# Altium PCB IntelligentCarFor51PcbDoc.PcbDoc (part 11 of 14)
Units mil, origin at the board's own origin, x right, y up, seen from the top; angles counter-clockwise.
Board outline 2298.05 x 2090.03 mil, 2 copper layers (Top Layer, Bottom Layer); 55 components, 66 nets, 258 pads, 143 vias.
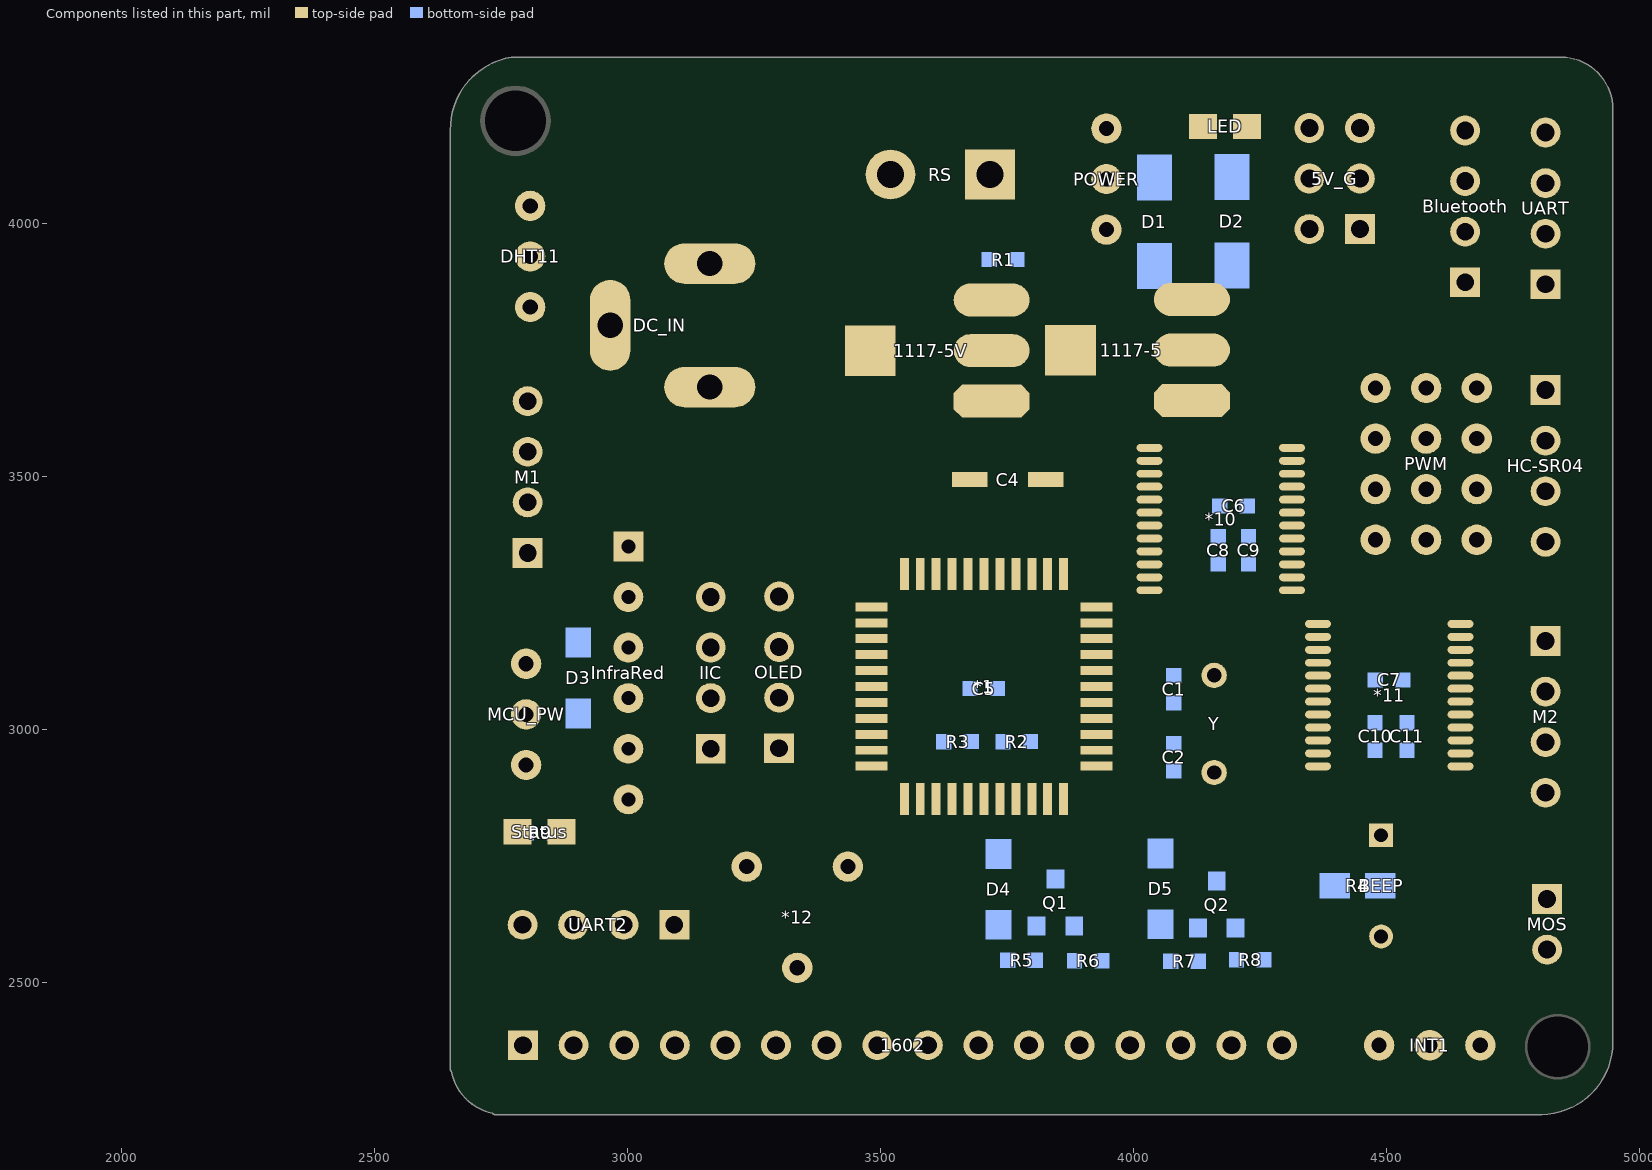
[diagram p11: the components of this part, seen from the top]

## Via types
v1: diameter 12, hole 8, Top Layer to Bottom Layer, 53 vias
v2: diameter 10, hole 7, Top Layer to Bottom Layer, 20 vias
v3: diameter 20, hole 12, Top Layer to Bottom Layer, 15 vias
v4: diameter 35, hole 25, Top Layer to Bottom Layer, 13 vias
v5: diameter 15, hole 10, Top Layer to Bottom Layer, 10 vias
v6: diameter 18, hole 12, Top Layer to Bottom Layer, 10 vias
v7: diameter 50, hole 35, Top Layer to Bottom Layer, 7 vias
v8: diameter 30, hole 20, Top Layer to Bottom Layer, 5 vias
v9: diameter 12, hole 7, Top Layer to Bottom Layer, 3 vias
v10: diameter 25, hole 18, Top Layer to Bottom Layer, 2 vias
v11: diameter 40, hole 30, Top Layer to Bottom Layer, 2 vias
v12: diameter 8, hole 7, Top Layer to Bottom Layer, 1 vias
v13: diameter 30, hole 22, Top Layer to Bottom Layer, 1 vias
v14: diameter 24, hole 18, Top Layer to Bottom Layer, 1 vias

## Nets (pads, with @x,y where several pads share a name; then routed paths per layer and width w, separated by ;. In a path a pad name is that pad's centre, name@x,y a point inside that pad or via, vN(x,y) a via of type N, cw(c..) or ccw(c..) an arc to the next point about the centre after c; other vN are vias at no path point) (continued)
copper on no net: (continued)
  Top Layer w0.4: 1919.2,2640.2 1949.6,2640.2 ; 1919.2,2640.6 1950,2640.6 ; 1919.2,2641 1950,2641 ; 1919.2,2641.4 1950,2641.4 ; 1919.2,2641.8 1950,2641.8 ; 1919.2,2642.2 1950.4,2642.2 ; 1919.2,2642.6 1950.4,2642.6 ; 1919.2,2643 1950.4,2643 ; 1919.2,2643.4 1920.8,2643.4 ; 1919.2,2643.8 1920.4,2643.8 ; 1919.2,2644.2 1920.4,2644.2 ; 1919.2,2644.6 1920.4,2644.6 ; 1919.2,2645 1920.8,2645 ; 1919.2,2645.4 1920.8,2645.4 ; 1919.6,2637 1949.2,2637 ; 1919.6,2637.4 1949.2,2637.4 ; 1919.6,2637.8 1949.2,2637.8 ; 1919.6,2638.2 1949.2,2638.2 ; 1919.6,2638.6 1949.2,2638.6 ; 1919.6,2639 1949.2,2639 ; 1919.6,2639.4 1949.6,2639.4 ; 1919.6,2639.8 1949.6,2639.8 ; 1919.6,2645.8 1921.2,2645.8 ; 1919.6,2646.2 1921.6,2646.2 ; 1920,2619.8 1924.4,2619.8 ; 1920,2620.2 1939.2,2620.2 ; 1920,2620.6 1932,2620.6 ; 1920,2621 1925.6,2621 ; 1920,2621.4 1924,2621.4 ; 1920,2621.8 1924,2621.8 ; 1920,2622.2 1924,2622.2 ; 1920,2622.6 1924,2622.6 ; 1920,2623 1935.6,2623 ; 1920,2623.4 1928.8,2623.4 ; 1920,2623.8 1924.4,2623.8 ; 1920,2624.2 1924,2624.2 ; 1920,2624.6 1924,2624.6 ; 1920,2625 1924,2625 ; 1920,2625.4 1978,2625.4 ; 1920,2625.8 1978.4,2625.8 ; 1920,2626.2 1978.4,2626.2 ; 1920,2626.6 1978.4,2626.6 ; 1920,2627 1978.8,2627 ; 1920,2627.4 1962.8,2627.4 ; 1920,2627.8 1957.6,2627.8 ; 1920,2628.2 1955.6,2628.2 ; 1920,2628.6 1954,2628.6 ; 1920,2629 1953.2,2629 ; 1920,2629.4 1952.4,2629.4 ; 1920,2629.8 1951.2,2629.8 ; 1920,2630.2 1950.8,2630.2 ; 1920,2630.6 1950.4,2630.6 ; 1920,2631 1950,2631 ; 1920,2631.4 1950,2631.4 ; 1920,2631.8 1949.6,2631.8 ; 1920,2632.2 1949.2,2632.2 ; 1920,2632.6 1949.2,2632.6 ; 1920,2633 1949.2,2633 ; 1920,2633.4 1949.2,2633.4 ; 1920,2633.8 1948.8,2633.8 ; 1920,2634.2 1948.8,2634.2 ; 1920,2634.6 1948.8,2634.6 ; 1920,2635 1948.8,2635 ; 1920,2635.4 1948.8,2635.4 ; 1920,2635.8 1948.8,2635.8 ; 1920,2636.2 1948.8,2636.2 ; 1920,2636.6 1948.8,2636.6 ; 1920,2646.6 1922.4,2646.6 ; 1920.4,2617.8 1930.8,2617.8 ; 1920.4,2618.2 1925.2,2618.2 ; 1920.4,2618.6 1924.8,2618.6 ; 1920.4,2619 1924.4,2619 ; 1920.4,2619.4 1924.4,2619.4 ; 1920.4,2647 1923.6,2647 ; 1920.8,2616.6 1977.2,2616.6 ; 1920.8,2617 1977.2,2617 ; 1920.8,2617.4 1940.4,2617.4 ; 1921.2,2615.8 1977.6,2615.8 ; 1921.2,2616.2 1977.2,2616.2 ; 1921.2,2643.4 1950.4,2643.4 ; 1921.2,2647.4 1924.4,2647.4 ; 1921.6,2615 1928.4,2615 ; 1921.6,2615.4 1928,2615.4 ; 1922,2614.2 1929.6,2614.2 ; 1922,2614.6 1928.8,2614.6 ; 1922,2647.8 1925.2,2647.8 ; 1922.4,2613.8 1930.8,2613.8 ; 1922.4,2648.2 1925.2,2648.2 ; 1922.8,2613.4 1931.6,2613.4 ; 1923.2,2613 1932.4,2613 ; 1923.6,2648.6 1925.6,2648.6 ; 1924,2612.6 1934,2612.6 ; 1924,2649 1925.6,2649 ; 1924,2649.4 1925.6,2649.4 ; 1924,2649.8 1925.6,2649.8 ; 1924,2650.2 1925.6,2650.2 ; 1924,2650.6 1925.6,2650.6 ; 1924.4,2612.2 1935.2,2612.2 ; 1924.4,2643.8 1950.8,2643.8 ; 1924.4,2651 1925.6,2651 ; 1924.4,2651.4 1925.6,2651.4 ; 1924.4,2651.8 1926,2651.8 ; 1924.4,2652.2 1926,2652.2 ; 1924.4,2652.6 1926,2652.6 ; 1924.8,2611.8 1936.4,2611.8 ; 1924.8,2653 1926.4,2653 ; 1924.8,2653.4 1926.4,2653.4 ; 1925.2,2653.8 1926.8,2653.8 ; 1925.2,2654.2 1926.8,2654.2 ; 1925.6,2611.4 1938,2611.4 ; 1925.6,2654.6 1927.2,2654.6 ; 1925.6,2655 1927.2,2655 ; 1926,2655.4 1927.6,2655.4 ; 1926,2655.8 1927.6,2655.8 ; 1926.4,2611 1939.6,2611 ; 1926.4,2619.8 1977.2,2619.8 ; 1926.4,2656.2 1928,2656.2 ; 1926.4,2656.6 1928.4,2656.6 ; 1926.8,2657 1928.4,2657 ; 1927.2,2657.4 1928.8,2657.4 ; 1927.2,2657.8 1929.2,2657.8 ; 1927.6,2610.6 1941.6,2610.6 ; 1927.6,2622.6 1977.6,2622.6 ; 1927.6,2658.2 1929.6,2658.2 ; 1928,2647 1965.6,2647 ; 1928,2647.4 1928.8,2647.4 ; 1928,2647.8 1928.8,2647.8 ; 1928,2648.2 1928.8,2648.2 ; 1928,2648.6 1928.8,2648.6 ; 1928,2649 1928.8,2649 ; 1928,2649.4 1928.8,2649.4 ; 1928,2658.6 1930,2658.6 ; 1928.4,2646.6 1942,2646.6 ; 1928.4,2649.8 1928.8,2649.8 ; 1928.4,2650.2 1929.2,2650.2 ; 1928.4,2650.6 1929.2,2650.6 ; 1928.4,2651 1929.2,2651 ; 1928.4,2659 1930.4,2659 ; 1928.8,2610.2 1943.6,2610.2 ; 1928.8,2651.4 1929.2,2651.4 ; 1928.8,2651.8 1929.6,2651.8 ; 1928.8,2652.2 1929.6,2652.2 ; 1928.8,2659.4 1930.8,2659.4 ; 1929.2,2652.6 1929.6,2652.6 ; 1929.2,2653 1930,2653 ; 1929.2,2659.8 1931.2,2659.8 ; 1929.6,2609.8 1945.6,2609.8 ; 1929.6,2615.4 1977.6,2615.4 ; 1929.6,2653.4 1930,2653.4 ; 1929.6,2653.8 1930.4,2653.8 ; 1929.6,2660.2 1931.6,2660.2 ; 1930,2654.2 1930.8,2654.2 ; 1930,2654.6 1930.8,2654.6 ; 1930,2660.6 1932,2660.6 ; 1930.4,2655 1931.2,2655 ; 1930.4,2661 1932.4,2661 ; 1930.8,2609.4 1948,2609.4 ; 1930.8,2625 1978,2625 ; 1930.8,2655.4 1931.6,2655.4 ; 1930.8,2655.8 1931.6,2655.8 ; 1930.8,2661.4 1933.2,2661.4 ; 1931.2,2656.2 1932,2656.2 ; 1931.2,2661.8 1933.6,2661.8 ; 1931.6,2656.6 1932.4,2656.6 ; 1931.6,2662.2 1934,2662.2 ; 1932,2657 1932.4,2657 ; 1932,2657.4 1932.8,2657.4 ; 1932,2662.6 1934.4,2662.6 ; 1932.4,2609 1950.4,2609 ; 1932.4,2657.8 1933.2,2657.8 ; 1932.8,2658.2 1933.6,2658.2 ; 1932.8,2663 1935.2,2663 ; 1933.2,2658.6 1934,2658.6 ; 1933.2,2663.4 1935.6,2663.4 ; 1933.6,2608.6 1953.2,2608.6 ; 1933.6,2659 1934.4,2659 ; 1934,2615 1977.6,2615 ; 1934,2659.4 1934.8,2659.4 ; 1934,2663.8 1936.4,2663.8 ; 1934.4,2651.8 1941.2,2651.8 ; 1934.4,2652.2 1941.2,2652.2 ; 1934.4,2652.6 1940.8,2652.6 ; 1934.4,2653 1940.8,2653 ; 1934.4,2653.4 1940.8,2653.4 ; 1934.4,2653.8 1940.8,2653.8 ; 1934.4,2654.2 1940.8,2654.2 ; 1934.4,2659.8 1935.2,2659.8 ; 1934.4,2664.2 1936.8,2664.2 ; 1934.8,2651 1944,2651 ; 1934.8,2651.4 1968,2651.4 ; 1934.8,2654.6 1940.8,2654.6 ; 1934.8,2655 1940.8,2655 ; 1934.8,2660.2 1935.6,2660.2 ; 1934.8,2664.6 1937.6,2664.6 ; 1935.2,2608.2 1956,2608.2 ; 1935.2,2650.6 1943.6,2650.6 ; 1935.2,2655.4 1940.8,2655.4 ; 1935.2,2655.8 1940.8,2655.8 ; 1935.2,2660.6 1936.4,2660.6 ; 1935.6,2619.4 1977.2,2619.4 ; 1935.6,2650.2 1942.4,2650.2 ; 1935.6,2656.2 1940.8,2656.2 ; 1935.6,2656.6 1940.8,2656.6 ; 1935.6,2661 1936.8,2661 ; 1935.6,2665 1938,2665 ; 1936,2649.8 1942.4,2649.8 ; 1936,2657 1940.8,2657 ; 1936,2665.4 1938.8,2665.4 ; 1936.4,2649.4 1942.8,2649.4 ; 1936.4,2657.4 1940.8,2657.4 ; 1936.4,2661.4 1937.2,2661.4 ; 1936.8,2657.8 1940.8,2657.8 ; 1936.8,2661.8 1938,2661.8 ; 1936.8,2665.8 1939.6,2665.8 ; 1937.2,2607.8 1960.8,2607.8 ; 1937.2,2649 1943.2,2649 ; 1937.2,2658.2 1940.8,2658.2 ; 1937.2,2662.2 1938.4,2662.2 ; 1937.6,2658.6 1940.8,2658.6 ; 1937.6,2666.2 1940.4,2666.2 ; 1938,2659 1940.8,2659 ; 1938,2662.6 1939.2,2662.6 ; 1938.4,2622.2 1977.6,2622.2 ; 1938.4,2648.6 1943.6,2648.6 ; 1938.4,2659.4 1941.2,2659.4 ; 1938.4,2663 1939.6,2663 ; 1938.4,2666.6 1941.2,2666.6 ; 1938.8,2614.6 1977.6,2614.6 ; 1938.8,2624.6 1978,2624.6 ; 1938.8,2659.8 1944,2659.8 ; 1938.8,2667 1942,2667 ; 1939.2,2607.4 1980,2607.4 ; 1939.2,2663.4 1950.4,2663.4 ; 1939.6,2623.8 1977.6,2623.8 ; 1939.6,2624.2 1978,2624.2 ; 1939.6,2660.2 1944,2660.2 ; 1939.6,2667.4 1942.8,2667.4 ; 1940,2623.4 1977.6,2623.4 ; 1940,2663.8 1952.8,2663.8 ; 1940.4,2623 1977.6,2623 ; 1940.4,2660.6 1944,2660.6 ; 1940.4,2667.8 1943.6,2667.8 ; 1940.8,2607 1980.4,2607 ; 1940.8,2663 1950,2663 ; 1940.8,2664.2 1955.2,2664.2 ; 1941.2,2621.8 1977.2,2621.8 ; 1941.2,2661 1944.4,2661 ; 1941.2,2668.2 1944.8,2668.2 ; 1941.6,2621 1977.2,2621 ; 1941.6,2621.4 1977.2,2621.4 ; 1941.6,2651.8 1968.4,2651.8 ; 1941.6,2652.2 1950,2652.2 ; 1941.6,2652.6 1950,2652.6 ; 1941.6,2653 1969.2,2653 ; 1941.6,2653.4 1946.8,2653.4 ; 1941.6,2653.8 1946.4,2653.8 ; 1941.6,2654.2 1944,2654.2 ; 1941.6,2654.6 1944,2654.6 ; 1941.6,2655 1944,2655 ; 1941.6,2655.4 1944,2655.4 ; 1941.6,2655.8 1944,2655.8 ; 1941.6,2656.2 1944,2656.2 ; 1941.6,2656.6 1944,2656.6 ; 1941.6,2657 1946.4,2657 ; 1941.6,2657.4 1946.4,2657.4 ; 1941.6,2657.8 1946.4,2657.8 ; 1941.6,2658.2 1946.4,2658.2 ; 1941.6,2658.6 1946.4,2658.6 ; 1941.6,2659 1946.4,2659 ; 1941.6,2659.4 1946.4,2659.4 ; 1941.6,2662.6 1952.8,2662.6 ; 1941.6,2664.6 1957.6,2664.6 ; 1942,2620.2 1977.2,2620.2 ; 1942,2620.6 1977.2,2620.6 ; 1942,2668.6 1945.6,2668.6 ; 1942.4,2646.6 1945.6,2646.6 ; 1942.4,2665 1960.4,2665 ; 1942.8,2606.6 1980.4,2606.6 ; 1942.8,2619 1977.2,2619 ; 1942.8,2648.2 1943.2,2648.2 ; 1942.8,2661.4 1944.8,2661.4 ; 1942.8,2669 1946.8,2669 ; 1943.2,2618.6 1977.2,2618.6 ; 1943.6,2617.8 1977.2,2617.8 ; 1943.6,2618.2 1977.2,2618.2 ; 1943.6,2662.2 1944,2662.2 ; 1943.6,2665.4 1963.2,2665.4 ; 1943.6,2669.4 1948,2669.4 ; 1944,2617.4 1977.2,2617.4 ; 1944.4,2614.2 1977.6,2614.2 ; 1944.4,2669.8 1948.8,2669.8 ; 1944.8,2606.2 1980.8,2606.2 ; 1944.8,2644.2 1950.8,2644.2 ; 1945.2,2665.8 1967.2,2665.8 ; 1945.6,2670.2 1950,2670.2 ; 1946.4,2646.6 1948.8,2646.6 ; 1946.4,2666.2 1970.8,2666.2 ; 1946.8,2605.8 1980.8,2605.8 ; 1946.8,2644.6 1950.8,2644.6 ; 1946.8,2670.6 1951.6,2670.6 ; 1947.2,2653.4 1969.2,2653.4 ; 1947.2,2653.8 1969.2,2653.8 ; 1947.2,2654.2 1969.6,2654.2 ; 1947.2,2654.6 1950,2654.6 ; 1947.2,2655 1949.6,2655 ; 1947.2,2655.4 1949.6,2655.4 ; 1947.2,2655.8 1949.6,2655.8 ; 1947.2,2656.2 1949.6,2656.2 ; 1947.2,2656.6 1949.6,2656.6 ; 1947.2,2657 1949.6,2657 ; 1947.2,2657.4 1949.6,2657.4 ; 1947.2,2657.8 1949.6,2657.8 ; 1947.2,2658.2 1949.6,2658.2 ; 1947.2,2658.6 1949.6,2658.6 ; 1947.2,2659 1949.6,2659 ; 1947.2,2659.4 1949.6,2659.4 ; 1947.2,2659.8 1950,2659.8 ; 1947.2,2660.2 1959.6,2660.2 ; 1947.2,2660.6 1959.2,2660.6 ; 1947.2,2661 1958.8,2661 ; 1947.2,2661.4 1958,2661.4 ; 1947.2,2661.8 1956.8,2661.8 ; 1947.2,2662.2 1955.2,2662.2 ; 1947.6,2666.6 1974.8,2666.6 ; 1947.6,2671 1952.8,2671 ; 1948,2645 1950.8,2645 ; 1948.4,2671.4 1954.4,2671.4 ; 1948.8,2645.4 1951.2,2645.4 ; 1948.8,2667 1978,2667 ; 1949.6,2645.8 1951.2,2645.8 ; 1949.6,2671.8 1955.6,2671.8 ; 1950,2605.4 1981.2,2605.4 ; 1950,2633 1960.8,2633 ; 1950,2633.4 1960.8,2633.4 ; 1950,2633.8 1960.8,2633.8 ; 1950,2634.2 1960.8,2634.2 ; 1950,2634.6 1960.8,2634.6 ; 1950,2635 1960.8,2635 ; 1950,2635.4 1960.8,2635.4 ; 1950,2635.8 1960.8,2635.8 ; 1950,2636.2 1960.8,2636.2 ; 1950,2636.6 1960.8,2636.6 ; 1950,2637 1961.2,2637 ; 1950,2637.4 1961.2,2637.4 ; 1950,2637.8 1961.6,2637.8 ; 1950,2667.4 1982.4,2667.4 ; 1950.4,2631.8 1960.8,2631.8 ; 1950.4,2632.2 1960.8,2632.2 ; 1950.4,2632.6 1960.8,2632.6 ; 1950.4,2638.2 1961.6,2638.2 ; 1950.4,2638.6 1961.6,2638.6 ; 1950.4,2639 1962,2639 ; 1950.4,2639.4 1962,2639.4 ; 1950.4,2639.8 1962,2639.8 ; 1950.4,2646.2 1951.2,2646.2 ; 1950.4,2646.6 1965.6,2646.6 ; 1950.4,2672.2 1957.2,2672.2 ; 1950.8,2613.8 1977.6,2613.8 ; 1950.8,2631.4 1961.2,2631.4 ; 1950.8,2640.2 1962.4,2640.2 ; 1950.8,2640.6 1962.4,2640.6 ; 1950.8,2641 1962.8,2641 ; 1950.8,2641.4 1962.8,2641.4 ; 1950.8,2641.8 1963.2,2641.8 ; 1951.2,2631 1961.6,2631 ; 1951.2,2642.2 1963.2,2642.2 ; 1951.2,2642.6 1963.2,2642.6 ; 1951.2,2643 1963.6,2643 ; 1951.2,2643.4 1963.6,2643.4 ; 1951.6,2630.6 1980,2630.6 ; 1951.6,2643.8 1964,2643.8 ; 1951.6,2644.2 1964.4,2644.2 ; 1951.6,2644.6 1964.4,2644.6 ; 1951.6,2647.4 1966,2647.4 ; 1951.6,2667.8 1987.2,2667.8 ; 1951.6,2672.6 1958.8,2672.6 ; 1952,2645 1964.8,2645 ; 1952,2645.4 1964.8,2645.4 ; 1952,2645.8 1965.2,2645.8 ; 1952,2647.8 1966,2647.8 ; 1952.4,2605 1981.6,2605 ; 1952.4,2630.2 1980,2630.2 ; 1952.4,2646.2 1965.2,2646.2 ; 1952.4,2648.2 1966.4,2648.2 ; 1952.4,2648.6 1966.8,2648.6 ; 1952.4,2649 1966.8,2649 ; 1952.8,2649.4 1967.2,2649.4 ; 1952.8,2649.8 1967.6,2649.8 ; 1952.8,2650.2 1967.6,2650.2 ; 1953.2,2629.8 1979.6,2629.8 ; 1953.2,2650.6 1967.6,2650.6 ; 1953.2,2651 1968,2651 ; 1953.2,2673 1960.8,2673 ; 1953.6,2652.2 1968.8,2652.2 ; 1953.6,2652.6 1968.8,2652.6 ; 1953.6,2668.2 1993.2,2668.2 ; 1954,2673.4 1962.8,2673.4 ; 1954.4,2604.6 1982,2604.6 ; 1954.8,2629.4 1979.6,2629.4 ; 1954.8,2654.6 1969.6,2654.6 ; 1955.2,2655 1956.4,2655 ; 1955.2,2673.8 1964.4,2673.8 ; 1955.6,2655.4 1956.4,2655.4 ; 1955.6,2655.8 1956.4,2655.8 ; 1955.6,2668.6 1999.2,2668.6 ; 1956,2656.2 1956.8,2656.2 ; 1956,2659.8 1959.6,2659.8 ; 1956.4,2604.2 1982,2604.2 ; 1956.4,2613.4 1978,2613.4 ; 1956.4,2629 1979.2,2629 ; 1956.4,2656.6 1957.2,2656.6 ; 1956.4,2674.2 1966,2674.2 ; 1956.8,2657 1957.6,2657 ; 1957.2,2657.4 1958,2657.4 ; 1957.2,2657.8 1958,2657.8 ; 1957.2,2669 2005.6,2669 ; 1957.6,2658.2 1958.4,2658.2 ; 1957.6,2674.6 1968.4,2674.6 ; 1958,2658.6 1958.8,2658.6 ; 1958,2659.4 1959.2,2659.4 ; 1958.4,2603.8 1982.4,2603.8 ; 1958.4,2628.6 1979.2,2628.6 ; 1958.4,2659 1959.2,2659 ; 1958.8,2669.4 2011.6,2669.4 ; 1958.8,2675 1970.4,2675 ; 1960.4,2655 1969.6,2655 ; 1960.4,2675.4 1973.2,2675.4 ; 1960.8,2603.4 1964.4,2603.4 ; 1960.8,2669.8 2018.4,2669.8 ; 1962,2655.4 1970,2655.4 ; 1962,2675.8 1975.6,2675.8 ; 1962.8,2670.2 2026,2670.2 ; 1963.2,2631 1980.4,2631 ; 1963.2,2676.2 1978,2676.2 ; 1963.6,2613 1978,2613 ; 1963.6,2628.2 1979.2,2628.2 ; 1964,2631.4 1980.8,2631.4 ; 1964,2655.8 1970,2655.8 ; 1964.4,2631.8 1980.8,2631.8 ; 1964.4,2676.6 1980.8,2676.6 ; 1964.8,2632.2 1981.2,2632.2 ; 1964.8,2632.6 1981.2,2632.6 ; 1965.2,2609.8 1979.2,2609.8 ; 1965.2,2610.2 1978.8,2610.2 ; 1965.2,2610.6 1978.8,2610.6 ; 1965.2,2611 1978.4,2611 ; 1965.2,2611.4 1978.4,2611.4 ; 1965.2,2611.8 1978.4,2611.8 ; 1965.2,2612.2 1978.4,2612.2 ; 1965.2,2612.6 1978,2612.6 ; 1965.2,2633 1981.6,2633 ; 1965.6,2607.8 1980,2607.8 ; 1965.6,2608.2 1979.6,2608.2 ; 1965.6,2608.6 1979.6,2608.6 ; 1965.6,2609 1979.2,2609 ; 1965.6,2609.4 1979.2,2609.4 ; 1965.6,2633.4 1982,2633.4 ; 1965.6,2633.8 1982,2633.8 ; 1966,2634.2 1982.4,2634.2 ; 1966,2634.6 1982.8,2634.6 ; 1966,2670.6 2036.8,2670.6 ; 1966,2677 1983.6,2677 ; 1966.4,2627.4 1978.8,2627.4 ; 1966.4,2627.8 1978.8,2627.8 ; 1966.4,2635 1983.2,2635 ; 1966.8,2635.4 1983.6,2635.4 ; 1966.8,2635.8 1984,2635.8 ; 1966.8,2656.2 1969.6,2656.2 ; 1967.2,2636.2 1984.4,2636.2 ; 1967.2,2636.6 1984.4,2636.6 ; 1967.6,2637 1985.2,2637 ; 1967.6,2637.4 1985.6,2637.4 ; 1967.6,2677.4 1986.8,2677.4 ; 1968,2637.8 1986,2637.8 ; 1968.4,2638.2 1986.4,2638.2 ; 1968.4,2638.6 1986.8,2638.6 ; 1968.4,2671 2046.8,2671 ; 1968.8,2639 1987.2,2639 ; 1969.2,2639.4 1988,2639.4 ; 1969.6,2639.8 1988.4,2639.8 ; 1969.6,2640.2 1989.2,2640.2 ; 1969.6,2677.8 1991.6,2677.8 ; 1970,2640.6 1989.6,2640.6 ; 1970.4,2641 1990.4,2641 ; 1970.4,2641.4 1991.2,2641.4 ; 1970.8,2641.8 1992.4,2641.8 ; 1970.8,2671.4 2058.4,2671.4 ; 1971.2,2642.2 1993.2,2642.2 ; 1971.2,2678.2 1995.2,2678.2 ; 1971.6,2642.6 1994,2642.6 ; 1972,2643 1995.6,2643 ; 1972.4,2643.4 1996.8,2643.4 ; 1972.4,2643.8 1999.2,2643.8 ; 1972.8,2603.4 1982.8,2603.4 ; 1972.8,2678.6 1998.8,2678.6 ; 1973.2,2602.6 1983.2,2602.6 ; 1973.2,2603 1982.8,2603 ; 1973.2,2644.2 2012.4,2644.2 ; 1973.2,2644.6 2011.2,2644.6 ; 1973.2,2671.8 2109.2,2671.8 ; 1973.6,2601.8 1984,2601.8 ; 1973.6,2602.2 1983.6,2602.2 ; 1973.6,2645 2009.2,2645 ; 1974,2601 1984.8,2601 ; 1974,2601.4 1984.4,2601.4 ; 1974.4,2600.6 1981.6,2600.6 ; 1974.4,2645.4 2006.8,2645.4 ; 1974.4,2645.8 2006,2645.8 ; 1974.4,2679 2002.4,2679 ; 1974.8,2599.8 1982,2599.8 ; 1974.8,2600.2 1981.6,2600.2 ; 1974.8,2646.2 2005.6,2646.2 ; 1975.2,2599.4 1982,2599.4 ; 1975.6,2598.6 1982.8,2598.6 ; 1975.6,2599 1982.4,2599 ; 1975.6,2646.6 2006,2646.6 ; 1976,2598.2 1983.2,2598.2 ; 1976,2647 2006,2647 ; 1976,2672.2 2108.8,2672.2 ; 1976,2679.4 2007.2,2679.4 ; 1976.4,2597.8 1983.6,2597.8 ; 1976.4,2647.4 2006.8,2647.4 ; 1976.8,2597.4 1983.6,2597.4 ; 1976.8,2647.8 2008,2647.8 ; 1977.2,2597 1984,2597 ; 1977.2,2648.2 2027.6,2648.2 ; 1977.6,2596.2 1984.8,2596.2 ; 1977.6,2596.6 1984.4,2596.6 ; 1978,2595.8 1985.6,2595.8 ; 1978,2648.6 2027.2,2648.6 ; 1978,2679.8 2012,2679.8 ; 1978.4,2649 2026.4,2649 ; 1978.8,2595.4 1986,2595.4 ; 1978.8,2649.4 2026,2649.4 ; 1978.8,2672.6 2108.8,2672.6 ; 1979.2,2595 1986.8,2595 ; 1979.6,2594.2 1988,2594.2 ; 1979.6,2594.6 1987.2,2594.6 ; 1979.6,2649.8 2025.2,2649.8 ; 1980,2593.8 1988.8,2593.8 ; 1980,2650.2 2024.8,2650.2 ; 1980,2680.2 2018.8,2680.2 ; 1980.8,2593.4 1989.6,2593.4 ; 1980.8,2650.6 2024.4,2650.6 ; 1981.2,2593 1990.4,2593 ; 1981.2,2651 2023.6,2651 ; 1981.6,2592.6 1991.6,2592.6 ; 1982,2592.2 1992.8,2592.2 ; 1982,2600.6 1985.2,2600.6 ; 1982,2651.4 2022.8,2651.4 ; 1982,2680.6 2025.6,2680.6 ; 1982.4,2600.2 1985.6,2600.2 ; 1982.8,2591.8 1994.8,2591.8 ; 1982.8,2599.8 1986,2599.8 ; 1982.8,2617 1984.4,2617 ; 1982.8,2617.4 1985.6,2617.4 ; 1982.8,2617.8 1986.8,2617.8 ; 1982.8,2618.2 1988,2618.2 ; 1982.8,2618.6 1989.2,2618.6 ; 1982.8,2619 1990,2619 ; 1982.8,2619.4 1991.2,2619.4 ; 1982.8,2619.8 1992.4,2619.8 ; 1982.8,2620.2 1993.2,2620.2 ; 1982.8,2620.6 1994,2620.6 ; 1982.8,2621 1994.4,2621 ; 1982.8,2621.4 1994.4,2621.4 ; 1982.8,2621.8 1994.8,2621.8 ; 1982.8,2622.2 1994.4,2622.2 ; 1982.8,2651.8 2022,2651.8 ; 1982.8,2673 2108.4,2673 ; 1983.2,2591.4 1996.8,2591.4 ; 1983.2,2599.4 1986.8,2599.4 ; 1983.2,2622.6 1994.4,2622.6 ; 1983.2,2623 1994.4,2623 ; 1983.2,2623.4 1994,2623.4 ; 1983.2,2623.8 1994,2623.8 ; 1983.6,2599 1987.2,2599 ; 1983.6,2624.2 1993.6,2624.2 ; 1983.6,2624.6 1993.2,2624.6 ; 1983.6,2625 1993.2,2625 ; 1983.6,2652.2 2021.2,2652.2 ; 1984,2591 2021.2,2591 ; 1984,2598.6 1987.6,2598.6 ; 1984,2625.4 1992.8,2625.4 ; 1984,2625.8 1992.4,2625.8 ; 1984,2626.2 1992.4,2626.2 ; 1984,2681 2035.2,2681 ; 1984.4,2590.6 2020.4,2590.6 ; 1984.4,2626.6 1992,2626.6 ; 1984.4,2627 1991.6,2627 ; 1984.4,2652.6 2020.4,2652.6 ; 1984.8,2598.2 1988.4,2598.2 ; 1984.8,2627.4 1991.6,2627.4 ; 1984.8,2627.8 1991.2,2627.8 ; 1985.2,2590.2 2020,2590.2 ; 1985.2,2597.8 1988.8,2597.8 ; 1985.2,2609 1998.4,2609 ; 1985.2,2609.4 1998.4,2609.4 ; 1985.2,2628.2 1990.8,2628.2 ; 1985.2,2628.6 1990.8,2628.6 ; 1985.2,2653 2020,2653 ; 1985.6,2597.4 1989.6,2597.4 ; 1985.6,2608.6 1998.4,2608.6 ; 1985.6,2629 1990.4,2629 ; 1985.6,2629.4 1990,2629.4 ; 1986,2589.8 2019.2,2589.8 ; 1986,2597 1990,2597 ; 1986,2607.8 1998.4,2607.8 ; 1986,2608.2 1998.4,2608.2 ; 1986,2609.8 1998.4,2609.8 ; 1986,2629.8 1989.6,2629.8 ; 1986,2653.4 2018.8,2653.4 ; 1986,2673.4 2108.4,2673.4 ; 1986,2681.4 2070.8,2681.4 ; 1986.4,2589.4 2018.4,2589.4 ; 1986.4,2607.4 1998.4,2607.4 ; 1986.4,2630.2 1989.6,2630.2 ; 1986.8,2596.6 1990.8,2596.6 ; 1986.8,2606.6 1998.4,2606.6 ; 1986.8,2607 1998.4,2607 ; 1986.8,2630.6 1989.2,2630.6 ; 1986.8,2631 1989.2,2631 ; 1987.2,2589 2017.6,2589 ; 1987.2,2596.2 1991.6,2596.2 ; 1987.2,2606.2 1998.4,2606.2 ; 1987.2,2631.4 1988.8,2631.4 ; 1987.2,2653.8 2018,2653.8 ; 1987.6,2605.8 1998.4,2605.8 ; 1987.6,2610.2 1998.4,2610.2 ; 1987.6,2631.8 1988.4,2631.8 ; 1988,2595.8 1992.8,2595.8 ; 1988,2605.4 1998.4,2605.4 ; 1988,2654.2 2016.8,2654.2 ; 1988,2681.8 2071.2,2681.8 ; 1988.4,2588.6 2016.8,2588.6 ; 1988.4,2605 1998.4,2605 ; 1988.8,2595.4 1993.6,2595.4 ; 1988.8,2604.6 1998.4,2604.6 ; 1989.2,2588.2 2016,2588.2 ; 1989.2,2595 1994.8,2595 ; 1989.2,2604.2 1998.4,2604.2 ; 1989.2,2610.6 1998.4,2610.6 ; 1989.2,2654.6 2016,2654.6 ; 1989.6,2603.8 1998.4,2603.8 ; 1989.6,2673.8 2108.4,2673.8 ; 1990,2587.8 2015.2,2587.8 ; 1990,2594.6 1996.4,2594.6 ; 1990.4,2603.4 1998.4,2603.4 ; 1990.4,2611 1998.4,2611 ; 1990.4,2655 2014.8,2655 ; 1990.4,2682.2 2071.6,2682.2 ; 1990.8,2587.4 2014,2587.4 ; 1990.8,2594.2 1998,2594.2 ; 1990.8,2603 1998.8,2603 ; 1991.6,2593.8 2024.8,2593.8 ; 1991.6,2602.6 1998.8,2602.6 ; 1991.6,2611.4 1998,2611.4 ; 1991.6,2655.4 2013.2,2655.4 ; 1992,2587 2012.8,2587 ; 1992,2602.2 1998.8,2602.2 ; 1992.4,2601.8 1998.8,2601.8 ; 1992.8,2593.4 2024.4,2593.4 ; 1992.8,2674.2 2108,2674.2 ; 1993.2,2601.4 1998.8,2601.4 ; 1993.2,2611.8 1998,2611.8 ; 1993.2,2655.8 2011.6,2655.8 ; 1993.2,2682.6 2072.4,2682.6 ; 1993.6,2586.6 2011.6,2586.6 ; 1994,2593 2023.6,2593 ; 1994,2601 1998.8,2601 ; 1994,2636.6 2010.4,2636.6 ; 1994.4,2612.2 1997.6,2612.2 ; 1994.4,2635.8 2010,2635.8 ; 1994.4,2636.2 2010.4,2636.2 ; 1994.8,2635.4 2009.6,2635.4 ; 1994.8,2637 2010,2637 ; 1995.2,2586.2 2009.6,2586.2 ; 1995.2,2592.6 2023.2,2592.6 ; 1995.2,2600.6 1998.8,2600.6 ; 1995.2,2635 2009.6,2635 ; 1995.6,2634.6 2009.2,2634.6 ; 1995.6,2656.2 2009.6,2656.2 ; 1995.6,2683 2072.8,2683 ; 1996,2612.6 1997.2,2612.6 ; 1996,2633.8 2008.4,2633.8 ; 1996,2634.2 2008.8,2634.2 ; 1996,2637.4 2008.8,2637.4 ; 1996.4,2600.2 1998.8,2600.2 ; 1996.4,2633.4 2008,2633.4 ; 1996.8,2592.2 2022.8,2592.2 ; 1996.8,2617 1998,2617 ; 1996.8,2617.4 1998,2617.4 ; 1996.8,2617.8 1997.6,2617.8 ; 1996.8,2633 2008,2633 ; 1996.8,2674.6 2108,2674.6 ; 1997.2,2632.2 2007.2,2632.2 ; 1997.2,2632.6 2007.6,2632.6 ; 1997.2,2637.8 2007.6,2637.8 ; 1997.6,2585.8 2007.6,2585.8 ; 1997.6,2631.8 2006.8,2631.8 ; 1998,2599.8 1998.4,2599.8 ; 1998,2631.4 2006.4,2631.4 ; 1998,2656.6 2006.8,2656.6 ; 1998,2683.4 2073.6,2683.4 ; 1998.4,2591.8 